# KiCad board rp2040-decoder.kicad_pcb (continued)
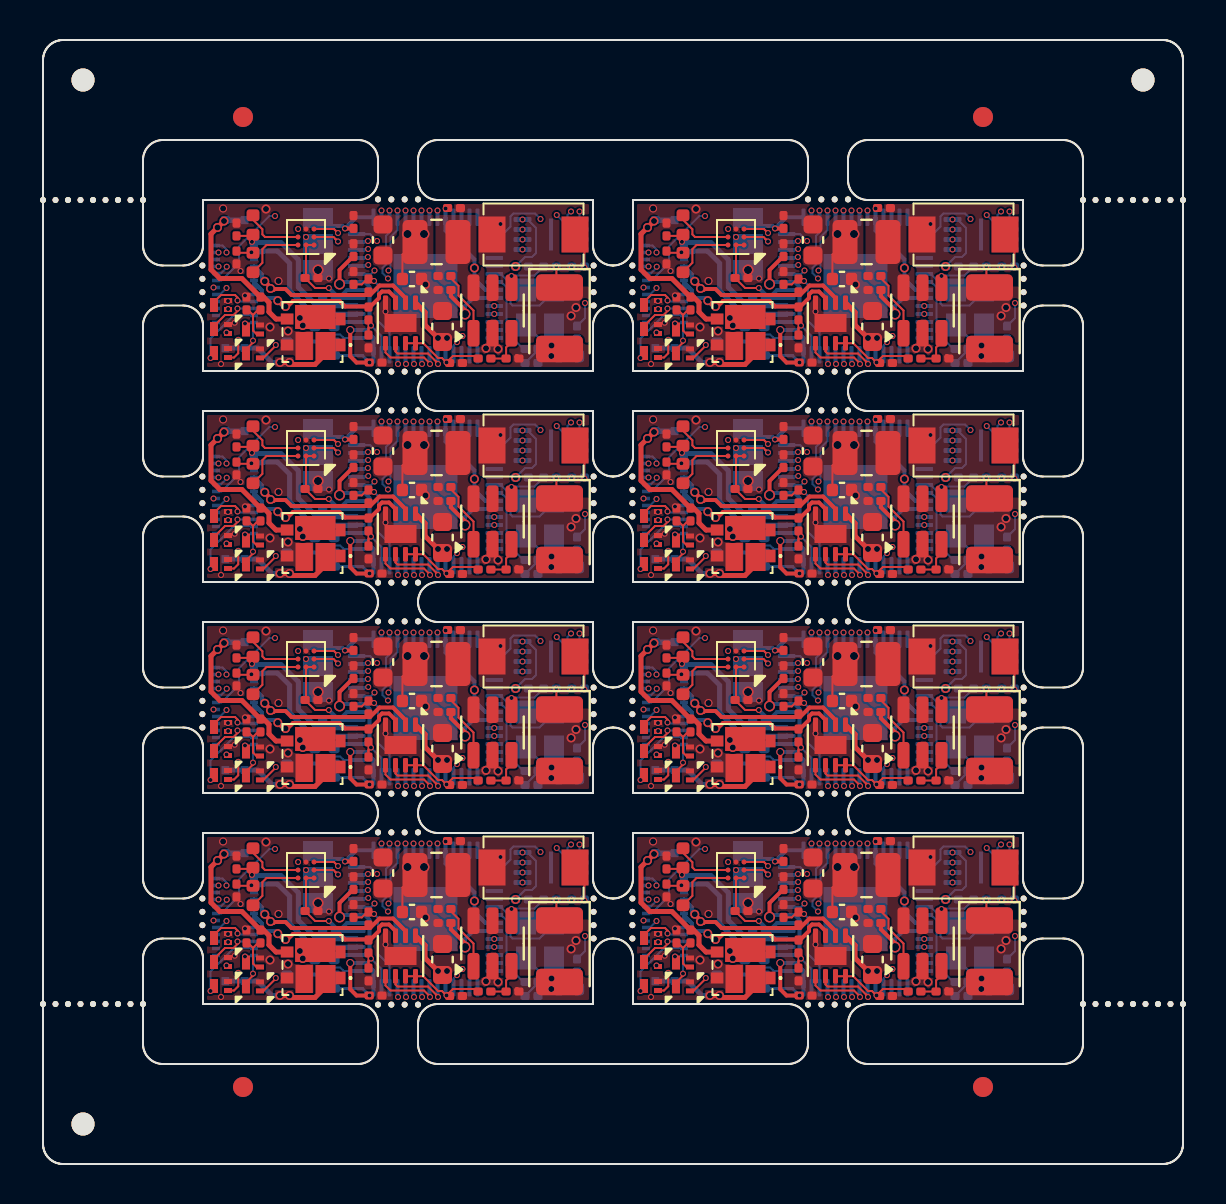
[diagram p0: board, top side]
## Routing (per net, layer and track width the routed paths; a pad name or vN(x,y) marks a point on that pad's centre or on a via; arc(x,y) is an arc through that point) (continued)
  Bottom w0.1: v3(38.75,23.18) 38.47,23.45 38.47,23.7 38.65,23.87 38.65,25.31 38.82,25.48 U3#6.3
Board_5-/AUX12: length 19.6
  In2.Cu w0.1: v3(39.23,26.58) 39.23,26.55 38.71,26.03 38.26,26.03 37.92,26.38 33.88,26.38 33.31,25.8 31.54,25.8 30.68,24.93 v3(30.68,24.48) ; v3(44.06,21.8) 43.91,21.8 42.13,23.58 v3(38.77,23.58)
  Bottom w0.1: U3#6.4 39.22,25.6 38.88,25.25 38.88,23.68 v3(38.77,23.58) ; v3(30.68,24.48) 30.68,24.62 30.47,24.83 J4#2.24
Board_5-/GPIO21: length 12.1
  In2.Cu w0.1: v3(31.6,20.93) 32.15,20.38 33.32,20.38 33.55,20.15 39.65,20.15 40.32,19.48 41.68,19.48 v3(42.2,19.99)
  Bottom w0.1: v3(42.2,19.99) 42.03,19.82 U3#6.32
Board_5-/GPIO22: length 2.9
  Top w0.1: v3(41.25,18.9) 41.18,18.9 41.15,18.92 41.15,19.02 40.75,19.43 39.22,19.43 39.12,19.53 U4#7.6
Board_5-/GPIO23: length 2.9
  Top w0.1: v3(40.85,18.9) 40.85,18.92 40.55,19.23 38.88,19.23 38.62,19.48 U4#7.5
Board_5-/GPIO24: length 11.5
  Top w0.1: Q2#3.1 31.05,19.23 31.26,19.44 v3(31.26,20.11)
  In2.Cu w0.1: v3(40.45,18.9) 40.45,18.92 39.42,19.95 33.46,19.95 33.26,20.15 33,20.15 32.43,19.58 31.78,19.58 31.26,20.09 v3(31.26,20.11)
Board_5-/GPIO25: length 8.4
  Top w0.1: v3(33.14,19.85) 33.14,19.82 32.52,19.21 Q5.1
  In2.Cu w0.1: v3(40.05,18.9) 40.05,18.92 39.22,19.75 33.24,19.75 v3(33.14,19.85)
Board_5-/GPIO26: length 11.4
  In2.Cu w0.1: v3(39.65,18.9) 39.65,18.92 39.02,19.55 33.11,19.55 32.94,19.38 31.13,19.38 30.88,19.63 30.88,20.25 30.97,20.35 30.97,20.6 30.8,20.78 30.75,20.78 v3(30.75,21.65)
Board_5-/GPIO27: length 9.9
  In2.Cu w0.1: v3(39.25,18.9) 38.8,19.35 33.19,19.35 33.02,19.18 31.05,19.18 30.68,19.55 v3(30.68,20.48)
Board_5-/I2S_BCLK: length 6.5
  Top w0.1: U5#7.C1 36.05,25.65 v3(36.25,25.45)
  In1.Cu w0.1: v3(36.25,25.45) 36.25,25.75 36.58,26.08 40.35,26.08 40.82,26.55 v3(40.82,26.58)
Board_5-/I2S_DIN: length 6.9
  Top w0.1: v3(36.25,25.03) 36.13,25.15 36.03,25.25 U5#7.B1
  In1.Cu w0.1: v3(36.25,25.03) 36.37,25.03 37.22,25.88 40.55,25.88 41.22,26.55 v3(41.22,26.58)
Board_5-/I2S_LRCLK: length 6.6
  In1.Cu w0.1: v3(40.43,26.58) 40.43,26.55 40.15,26.28 34.88,26.28 34.26,25.66 v3(34.26,25.65)
Board_5-/LAMP_FRONT: length 2.5
  Top w0.1: v3(31.23,22.07) 31.23,22.22 31.1,22.35 30.4,22.35 30.05,22 Q3#2.3
  Bottom w0.1: J4#2.9 31.28,22.03 v3(31.23,22.07)
Board_5-/LAMP_REAR: length 2.6
  Top w0.1: Q6#2.3 30.05,20.8 30.6,21.35 31.03,21.35 31.22,21.55 v3(31.22,21.68)
  Bottom w0.1: v3(31.22,21.68) J4#2.10
Board_5-/MOTOR_A: length 9.7
  Top w0.2: v4(33.24,22.07) 33.53,21.78 v4(33.62,21.78) 33.72,21.78 34,22.05 36.32,22.05 36.6,21.78 37.88,21.78 38.3,22.2 38.3,22.37 38.45,22.53 38.8,22.53 39.12,22.2 U4#7.3
  Bottom w0.2: v4(33.62,21.78) 33.53,21.78 v4(33.24,22.07) 33.11,22.2 32.6,22.2 32.45,22.35 32.45,22.58 32.05,22.98 J4#2.6 32.05,22.73 32.05,22.76
Board_5-/MOTOR_B: length 9.8
  Top w0.2: U4#7.2 39.62,22.2 39,22.83 38.32,22.83 37.85,22.35 33.93,22.35 33.62,22.65 33.07,22.65 33.03,22.6 v4(32.59,23.04)
  Bottom w0.2: v4(32.88,22.68) 32.88,22.7 32.45,23.12 32.45,23.38 J4#2.4 J4#2.5
Board_5-/SPEAKER_N: length 9.1
  Top w0.1: 32,25.06 FB2.1 31.94,25.3 C20#6.1
  Bottom w0.25: U3#6.47 37.17,21.82 35.19,21.82 34.26,22.74 34.26,24.11 33.41,24.97 31.98,24.97 v3(31.95,25) ; v3(31.95,25) 31.95,24.93 31.95,24.93 31.95,24.86 ; v3(31.95,25) 32.1,24.85 ; v3(31.95,25) 31.97,25 32.1,24.88
Board_5-/SPEAKER_P: length 8.4
  Top w0.1: v3(31.92,24.48) 31.94,24.47 31.95,24.47 ; C22#6.1 31.26,24.46 FB1#5.1
  Bottom w0.25: 31.96,24.45 v3(31.92,24.48) 31.95,24.51 31.95,24.51 31.96,24.5 32.25,24.5 32.26,24.51 32.47,24.51 32.47,24.54 33.23,24.54 33.84,23.94 33.84,22.56 35.01,21.39 37.17,21.39 U3#6.46
Board_5-/TRACK_LEFT: length 9.9
  Top w0.25: v4(30.55,26.05) 29.9,25.4 29.9,23.62 30.34,23.18 31.44,23.18 R1#3.2 32.53,22.25 32.8,21.98 32.8,21.5 33.15,21.15 D1#8.3 33.71,21.08
  Bottom w0.25: v4(30.55,26.05) 30.59,26.1 J4#2.X1A 30.63,26.1 J4#2.X1B
  vias: v4(30.22,25.73)
Board_5-/TRACK_RIGHT: length 6
  Top w0.25: v4(33.35,18.98) v4(33.82,18.98) 33.92,18.88 35.1,18.88 35.62,19.4 D1#8.1
  Bottom w0.25: v4(33.35,18.98) 32.95,18.98 32.23,19.7 J4#2.X2A J4#2.X2B
Board_5-GND: length 0.9
  Top w0.2: Q3#2.2 v3(30.75,22.05)
  Top w0.25: U2#4.2 43.97,20.01 ; R7#2.1 45.2,19.27 45.2,19.27
  Top w0.4: C10#3.2 40.43,23.07 v4(40.62,22.88)
  vias: v1(35.25,23.6) v2(30.5,26.68) v2(33.28,23.05) v3(30.4,18.9) v3(31.09,20.96) v3(31.38,23.55) v3(31.6,22.33) v3(35.8,23.18) v3(38.62,21.53) v3(44.38,25.9) v4(32.65,26.65) v4(32.85,20.75) v4(33.75,20.55) v4(43.65,19.69) v4(44.25,19.65) v4(46.93,19.83) v4(46.91,19.3)
Board_5-Net-(C3-Pad1): length 2.4
  Bottom w0.1: Y1#8.1 46.25,20.26 R6#8.2 46.25,19.59 45.6,18.95
Board_5-Net-(D2-A): length 0.9
  Bottom w0.1: R9.1 48.2,19.36 D2#4.2
Board_5-Net-(JP1-C): length 0.7
  Bottom w0.1: v3(34.65,25.25) 34.9,25.25 JP1#5.2
Board_5-Net-(Q1-G): length 2.1
  Top w0.1: 32,21.36 32.25,21.61 R1#3.1 ; 32,21.36 31.75,21.61 R2#8.2 ; 32,21.36 32,20.58 32.18,20.4 Q1#6.1
Board_5-Net-(R4-Pad2): length 1.8
  Top w0.1: v3(48.57,23.73) 48.57,24.91 SW1#8.2
Board_5-Net-(U1-CLK): length 9.7
  In2.Cu w0.1: v3(37.76,23.85) 37.77,23.85 38.02,24.1 41.42,24.1 41.74,24.43 45.25,24.43 45.35,24.33 45.65,24.33 45.78,24.45 45.78,24.83 v3(45.47,25.12)
  Bottom w0.1: v3(37.76,23.85) 37.71,23.8 U3#6.52
Board_5-Net-(U1-DI(IO0)): length 8.5
  In2.Cu w0.1: v3(37.75,24.25) 37.8,24.3 41.33,24.3 41.66,24.62 v3(45.47,24.62)
  Bottom w0.1: U3#6.53 37.7,24.2 v3(37.75,24.25)
Board_5-Net-(U1-DO(IO1)): length 13.2
  In2.Cu w0.1: v3(47.9,26.52) 47.78,26.65 43.12,26.65 41.17,24.7 38.13,24.7 37.78,25.05 v3(37.75,25.05)
  Bottom w0.1: v3(47.9,26.52) 47.72,26.35 47.72,25.85 47.95,25.62 48.32,25.62 ; v3(37.75,25.05) 37.6,25.05 37.55,25 U3#6.55
Board_5-Net-(U1-IO2): length 12.8
  In2.Cu w0.1: v3(37.75,24.65) 37.9,24.65 38.05,24.5 41.25,24.5 43.2,26.45 47.09,26.45 v3(47.19,26.35)
  Bottom w0.1: v3(47.19,26.35) 47.5,26.04 47.5,25.65 48.02,25.12 48.32,25.12 ; U3#6.54 37.51,24.6 37.56,24.65 v3(37.75,24.65)
Board_5-Net-(U1-IO3): length 10.8
  In2.Cu w0.1: v3(38.07,23.58) 38.4,23.9 41.5,23.9 41.8,24.2 45.19,24.2 45.27,24.12 45.75,24.12 45.97,24.35 45.97,25.15 45.47,25.65
  Bottom w0.1: v3(38.07,23.58) 37.9,23.4 U3#6.51
  vias: v3(45.47,25.62)
Board_5-Net-(U1-~{CS}): length 15.6
  In2.Cu w0.1: v3(38.2,25.05) 38.2,25.01 38.32,24.9 41.06,24.9 43.01,26.85 48,26.85 v3(48.32,26.53) 47.93,26.12 47.93,23.78 v3(47.93,23.78)
  Bottom w0.1: v3(48.32,26.53) 48.32,26.12 ; U3#6.56 37.85,25.4 v3(38.2,25.05)
Board_5-Net-(U2-BS): length 3.3
  Top w0.1: U2#4.1 43.03,21.57 42.28,22.32 42.28,22.81 41.9,23.19 41.9,23.3
Board_5-Net-(U2-EN): length 2.4
  Top w0.1: v3(44.93,23.3) U2#4.4
  Bottom w0.1: R5#7.2 46.08,23.33 44.95,23.33 v3(44.93,23.3)
Board_5-Net-(U2-FB): length 2.1
  Top w0.1: U2#4.3 44.93,20 44.66,19.73 R7#2.2 43.9,19.18
Board_5-Net-(U3-ADC_AVDD): length 2.8
  Bottom w0.1: U3#6.43 36.53,20.2 36.5,20.23 36.5,20.23 36.36,20.38 35.83,20.38 R10#8.2
  Bottom w0.2: 34.62,19.96 34.69,20.03 R10#8.2
Board_5-Net-(U3-GPIO12): length 9.6
  In2.Cu w0.1: v3(46.38,26.15) 47.63,24.9 47.63,23 48.6,22.02 v3(48.6,21.95)
  Bottom w0.1: U3#6.15 44.5,25.4 44.88,25.78 44.88,26.28 45.02,26.43 46.1,26.43 v3(46.38,26.15) ; v3(48.6,21.95) 48.6,21.2 R9.2
Board_5-Net-(U3-XIN): length 5.9
  Bottom w0.1: C1#6.1 47.75,22.6 Y1#8.3 47.05,22.55 46.32,21.83 44.97,21.83 44.88,21.93 44.88,22.91 44.38,23.4 U3#6.20
Board_5-Net-(U3-XOUT): length 4.2
  Bottom w0.1: U3#6.21 44.41,23 44.68,22.73 44.68,20.5 45.53,19.65 45.6,19.65
Board_5-Net-(U5-OUTN): length 3
  Top w0.1: FB2.2 32,26.11 32.47,25.64 32.47,25.38 32.6,25.25 U5#7.B3
Board_5-Net-(U5-OUTP): length 3.2
  Top w0.1: FB1#5.2 32.47,23.96 32.47,24.65 32.68,24.85 U5#7.A3
Board_5-VDC: length 8.7
  Top w0.1: v3(47.17,23.78) 47.17,22.88 C4#2.1
  Top w0.25: v4(41.7,20.2) v4(41.25,20.2) 40.6,20.85 40.6,21.49 U4#7.1
  In2.Cu w0.2: v4(34.35,21.2) 33.5,21.2 32,22.7 v3(30.68,22.7)
  Bottom w0.1: v3(30.68,22.7) 30.35,22.38 J4#2.17
  vias: v4(34.49,20.83) v4(47.91,21.3) v4(48.15,21.73)
Board_6-+1V1: length 17.4
  Top w0.2: 20.4,12.05 20.4,11.74 21.1,11.03 v1(21.1,10.85) ; v1(14.83,12.35) 14.83,13.05 15.57,13.8 15.59,13.8
  In2.Cu w0.4: v1(21.1,10.85) 21.1,11 20.3,11.8 15.38,11.8 v1(14.83,12.35)
  Bottom w0.2: v1(14.83,12.35) 14.93,12.45 U3#5.50 16.08,12.45 16.32,12.2 16.32,10.7 16.08,10.45 U3#5.45 14.71,10.45 14.56,10.3 ; v1(21.1,10.85) 21.1,11.25 21.5,11.65 U3#5.23
Board_6-+3.3V: length 42.9
  Top w0.1: U4#6.7 19.02,9.39 19.76,8.65 19.95,8.65 20.17,8.43 v3(20.18,8.43) 20.5,8.75 21.63,8.75 R8#7.1 ; v3(14.29,12.15) 13.6,12.15 13.1,12.65 13.15,12.7 U5.A2 U5.A1 ; v3(20.98,9.75) 21,9.73 ; L1#6.2 17.97,13.82 C10#7.1 ; v3(16.32,8.42) C13#3.1
  Top w0.2: C13#3.1 15.68,8.42 15.36,8.74 v2(15.36,10.05) ; v3(15.1,15.12) 15.52,15.12 C17#3.1
  In1.Cu w0.2: v2(15.36,10.05) 14.29,11.12 v3(14.29,12.15)
  In1.Cu w0.25: 19.93,8.73 20.18,8.48 v3(20.18,8.43) ; 19.93,8.73 16.62,8.73 v3(16.32,8.42) ; 19.93,8.73 20.51,8.73 21.07,9.29 21.07,9.65 v3(20.98,9.75)
  In2.Cu w0.1: v4(23.63,13.23) 23.56,13.15 v4(21.57,13.15)
  Bottom w0.1: v4(23.63,13.23) 24.1,13.7 24.45,13.7 24.65,13.9 24.65,15.15 24.23,15.58 v3(23.97,15.58)
  Bottom w0.15: R10#3.1 C11#4.1 15.97,8.78 16.16,8.59 ; 16.16,8.59 16.25,8.5 16.47,8.5 ; 16.16,8.59 v3(16.32,8.42)
  Bottom w0.2: 13.93,15.48 JP1#6.3 14.15,15.25 14.98,15.25 v3(15.1,15.12) 15.66,15.69 U3#5.1 ; 14.8,11.65 15.2,12.05 U3#5.49 ; 14.8,11.65 14.75,11.7 C12#7.1 14.62,11.82 v3(14.29,12.15) ; 14.8,11.65 15.58,11.65 ; U3#5.22 22.12,12.05 21.57,12.6 v4(21.57,13.15) 21.57,13.58 20.12,15.03 U3#5.10 ; U3#5.44 16.12,10.05 16.53,9.65 U3#5.42 ; 14,15.68 14.32,16
  vias: v1(18.22,14.85) v1(19.05,14.85) v3(8.53,12.17) v3(20.13,16.12)
Board_6-/ADC_EMF_A: length 2.8
  Top w0.1: R11#3.1 R12#2.2 ; 16.28,9.97 16.28,10.15 v3(16.4,10.27)
  Bottom w0.1: v3(16.4,10.27) 16.93,9.74 U3#5.41
Board_6-/ADC_EMF_B: length 5.2
  Top w0.1: R14#6.2 15.94,12.33 16.28,12.66 16.39,12.66 v3(16.55,12.5)
  Bottom w0.1: v3(16.55,12.5) 16.75,12.3 16.75,10.5 17.32,9.92 U3#5.40
Board_6-/AUX1 (VDC): length 3.6
  Bottom w0.1: J4#8.11 10.53,10.8 9.55,10.8 8.38,9.62 v3(8.38,8.65)
Board_6-/AUX2 (VDC): length 1.7
  Top w0.1: v3(10.5,9.52) 10.5,9.42 10.15,9.07 Q5#2.3
  Bottom w0.1: J4#8.12 10.55,10.06 10.5,10.01 v3(10.5,9.52)
Board_6-/AUX3: length 11.3
  In2.Cu w0.1: v3(8.78,13.23) 9.07,13.52 9.42,13.52 9.57,13.68 9.57,14.5 10.12,15.05 11.89,15.05 12.47,15.62 16.33,15.62 16.68,15.28 17.41,15.28 18.12,16 v3(18.12,16.03)
Board_6-/AUX4: length 12
  In2.Cu w0.1: v3(9.19,13.21) 9.44,13.21 9.78,13.55 9.78,14.42 10.21,14.85 11.97,14.85 12.55,15.43 16.25,15.43 16.59,15.08 17.61,15.08 18.53,16 v3(18.53,16.03)
  Bottom w0.1: v3(9.19,13.21) 9.19,13.17 8.89,12.88 J4#8.20
Board_6-/AUX10: length 10.6
  In2.Cu w0.1: v3(16.93,16.03) 16.93,15.88 16.53,16.28 12.13,16.28 v3(11.6,15.75)
  Bottom w0.1: J4#8.19 8.92,12.53 9.8,13.4 9.8,14.23 11.32,15.75 v3(11.6,15.75)
Board_6-/AUX11: length 19.7
  In2.Cu w0.1: v3(8.78,13.93) 8.78,14.27 9.96,15.45 11.73,15.45 12.3,16.03 16.5,16.03 16.84,15.68 17.01,15.68 17.22,15.9 17.22,16.1 17.33,16 v3(17.33,16.02) ; v3(17.25,12.62) 17.3,12.62 17.5,12.83 20.55,12.83 22.53,10.85 v3(22.56,10.85)
  Bottom w0.1: U3#5.3 17.32,14.93 17.15,14.76 17.15,13.32 16.97,13.15 16.97,12.9 v3(17.25,12.62)
Board_6-/AUX12: length 19.6
  In2.Cu w0.1: v3(17.73,16.03) 17.73,16 17.21,15.48 16.76,15.48 16.42,15.83 12.38,15.83 11.81,15.25 10.04,15.25 9.18,14.38 v3(9.18,13.93) ; v3(17.27,13.03) 20.63,13.03 22.41,11.25 v3(22.56,11.25)
  Bottom w0.1: v3(9.18,13.93) 9.18,14.07 8.97,14.28 8.65,14.28 ; U3#5.4 17.72,15.05 17.38,14.7 17.38,13.13 v3(17.27,13.03)
Board_6-/GPIO21: length 12.1
  In2.Cu w0.1: v3(10.1,10.38) 10.65,9.83 11.82,9.83 12.05,9.6 18.15,9.6 18.82,8.92 20.18,8.92 v3(20.7,9.44)
  Bottom w0.1: v3(20.7,9.44) 20.53,9.27 U3#5.32
Board_6-/GPIO22: length 2.9
  Top w0.1: v3(19.75,8.35) 19.68,8.35 19.65,8.37 19.65,8.47 19.25,8.88 17.72,8.88 17.62,8.98 U4#6.6
Board_6-/GPIO23: length 2.9
  Top w0.1: U4#6.5 17.12,8.92 17.38,8.67 19.05,8.67 19.35,8.37 v3(19.35,8.35)
Board_6-/GPIO24: length 11.5
  Top w0.1: Q2#8.1 9.55,8.67 9.76,8.89 v3(9.76,9.56)
  In2.Cu w0.1: v3(18.95,8.35) 18.95,8.37 17.92,9.4 11.96,9.4 11.76,9.6 11.5,9.6 10.93,9.03 10.28,9.03 9.76,9.54 v3(9.76,9.56)
Board_6-/GPIO25: length 8.4
  Top w0.1: v3(11.64,9.3) 11.64,9.27 11.02,8.66 Q5#2.1
  In2.Cu w0.1: v3(18.55,8.35) 18.55,8.37 17.72,9.2 11.74,9.2 v3(11.64,9.3)
Board_6-/GPIO26: length 11.4
  In2.Cu w0.1: v3(9.25,11.1) 9.25,10.23 9.3,10.23 9.47,10.05 9.47,9.8 9.38,9.7 9.38,9.08 9.63,8.83 11.44,8.83 11.61,9 17.52,9 18.15,8.37 v3(18.15,8.35)
Board_6-/GPIO27: length 9.9
  In2.Cu w0.1: v3(9.18,9.92) 9.18,9 9.55,8.62 11.52,8.62 11.69,8.8 17.3,8.8 v3(17.75,8.35)
Board_6-/I2S_BCLK: length 6.5
  Top w0.1: v3(14.75,14.9) 14.55,15.1 U5.C1
  In1.Cu w0.1: v3(14.75,14.9) 14.75,15.2 15.08,15.53 18.85,15.53 19.32,16 v3(19.32,16.03)
Board_6-/I2S_DIN: length 6.9
  Top w0.1: v3(14.75,14.48) 14.63,14.6 14.53,14.7 U5.B1
  In1.Cu w0.1: v3(19.72,16.03) 19.72,16 19.05,15.33 15.72,15.33 14.87,14.48 v3(14.75,14.48)
Board_6-/I2S_LRCLK: length 6.6
  In1.Cu w0.1: v3(18.93,16.03) 18.93,16 18.65,15.73 13.38,15.73 12.76,15.11 v3(12.76,15.1)
Board_6-/LAMP_FRONT: length 2.5
  Top w0.1: v3(9.73,11.52) 9.73,11.67 9.6,11.8 8.9,11.8 8.55,11.45 Q3#7.3
  Bottom w0.1: v3(9.73,11.52) 9.78,11.48 J4#8.9
Board_6-/LAMP_REAR: length 2.6
  Top w0.1: v3(9.72,11.12) 9.72,11 9.53,10.8 9.1,10.8 8.55,10.25 Q6#4.3
  Bottom w0.1: v3(9.72,11.12) J4#8.10
Board_6-/MOTOR_A: length 9.7
  Top w0.2: v4(11.74,11.52) 12.03,11.23 v4(12.12,11.23) 12.22,11.23 12.5,11.5 14.82,11.5 15.1,11.23 16.38,11.23 16.8,11.65 16.8,11.82 16.95,11.98 17.3,11.98 17.62,11.65 U4#6.3
  Bottom w0.2: 10.55,12.21 J4#8.7 J4#8.6 10.55,12.43 10.95,12.03 10.95,11.8 11.1,11.65 11.61,11.65 v4(11.74,11.52) 12.03,11.23 v4(12.12,11.23)
Board_6-/MOTOR_B: length 9.8
  Top w0.2: v4(11.09,12.49) 11.53,12.05 11.57,12.1 12.12,12.1 12.43,11.8 16.35,11.8 16.82,12.28 17.5,12.28 18.12,11.65 U4#6.2
  Bottom w0.2: v4(11.38,12.12) 11.38,12.15 10.95,12.58 10.95,12.83 J4#8.4 J4#8.5
Board_6-/SPEAKER_N: length 9.1
  Top w0.1: 10.5,14.51 FB2#7.1 10.44,14.76 C20#4.1
  Bottom w0.25: v3(10.45,14.45) 10.45,14.38 10.45,14.38 10.45,14.31 ; v3(10.45,14.45) 10.6,14.3 ; v3(10.45,14.45) 10.47,14.45 10.6,14.33 ; v3(10.45,14.45) 10.48,14.42 11.91,14.42 12.76,13.56 12.76,12.19 13.69,11.27 15.67,11.27 U3#5.47
Board_6-/SPEAKER_P: length 8.4
  Top w0.1: v3(10.42,13.93) 10.44,13.92 10.45,13.92 ; C22#4.1 9.76,13.91 FB1#8.1
  Bottom w0.25: U3#5.46 15.67,10.84 13.51,10.84 12.34,12.01 12.34,13.39 11.73,13.99 10.97,13.99 10.97,13.96 10.76,13.96 10.75,13.95 10.46,13.95 10.45,13.96 10.45,13.96 v3(10.42,13.93) 10.46,13.9
Board_6-/TRACK_LEFT: length 9.9
  Top w0.25: v4(9.05,15.5) 8.4,14.85 8.4,13.07 8.84,12.62 9.94,12.62 10.88,11.7 11.03,11.7 11.3,11.42 11.3,10.95 11.65,10.6 D1#2.3 12.21,10.53
  Bottom w0.25: v4(9.05,15.5) 9.09,15.55 J4#8.X1A 9.13,15.55 J4#8.X1B
  vias: v4(8.72,15.18)
Board_6-/TRACK_RIGHT: length 6
  Top w0.25: D1#2.1 14.12,8.85 13.6,8.33 12.42,8.33 v4(12.32,8.42) v4(11.85,8.42)
  Bottom w0.25: v4(11.85,8.42) 11.45,8.42 10.73,9.14 J4#8.X2A J4#8.X2B
Board_6-GND: length 0.9
  Top w0.2: Q3#7.2 v3(9.25,11.5)
  Top w0.25: U2#3.2 22.47,9.46 ; 23.7,8.72 23.7,8.72 R7#4.1
  Top w0.4: C10#7.2 18.93,12.52 v4(19.12,12.33)
  vias: v1(13.75,13.05) v2(9,16.12) v2(11.78,12.5) v3(8.9,8.35) v3(9.59,10.41) v3(9.88,13) v3(10.1,11.78) v3(14.3,12.62) v3(17.12,10.98) v3(22.88,15.35) v4(11.15,16.1) v4(11.35,10.2) v4(12.25,10) v4(22.15,9.14) v4(22.75,9.1) v4(25.43,9.28) v4(25.41,8.75)
Board_6-Net-(C3-Pad1): length 2.4
  Bottom w0.1: Y1#6.1 24.75,9.7 R6#6.2 24.75,9.04 24.1,8.4
Board_6-Net-(D2-A): length 0.9
  Bottom w0.1: R9#8.1 26.7,8.81 D2#8.2
Board_6-Net-(JP1-C): length 0.7
  Bottom w0.1: v3(13.15,14.7) 13.4,14.7 JP1#6.2
Board_6-Net-(Q1-G): length 2.1
  Top w0.1: 10.5,10.81 10.25,11.06 R2.2 ; 10.5,10.81 10.5,10.03 10.68,9.85 Q1#4.1 ; 10.5,10.81 10.75,11.06 R1#6.1
Board_6-Net-(R4-Pad2): length 1.8
  Top w0.1: SW1#2.2 27.07,14.36 v3(27.07,13.18)
Board_6-Net-(U1-CLK): length 9.7
  In2.Cu w0.1: v3(23.97,14.58) 24.28,14.28 24.28,13.9 24.15,13.78 23.85,13.78 23.75,13.88 20.24,13.88 19.92,13.55 16.52,13.55 16.27,13.3 v3(16.26,13.3)
  Bottom w0.1: v3(16.26,13.3) 16.21,13.25 U3#5.52
Board_6-Net-(U1-DI(IO0)): length 8.5
  In2.Cu w0.1: v3(23.97,14.08) 20.16,14.08 19.83,13.75 16.3,13.75 v3(16.25,13.7)
  Bottom w0.1: v3(16.25,13.7) 16.2,13.65 U3#5.53
Board_6-Net-(U1-DO(IO1)): length 13.2
  In2.Cu w0.1: v3(26.4,15.97) 26.28,16.1 21.62,16.1 19.67,14.15 16.63,14.15 16.28,14.5 v3(16.25,14.5)
  Bottom w0.1: 26.82,15.08 26.45,15.08 26.22,15.3 26.22,15.8 v3(26.4,15.97) ; v3(16.25,14.5) 16.1,14.5 16.05,14.45 U3#5.55
Board_6-Net-(U1-IO2): length 12.8
  In2.Cu w0.1: v3(25.69,15.8) 25.59,15.9 21.7,15.9 19.75,13.95 16.55,13.95 16.4,14.1 v3(16.25,14.1)
  Bottom w0.1: U3#5.54 16.01,14.05 16.06,14.1 v3(16.25,14.1) ; v3(25.69,15.8) 26,15.49 26,15.1 26.52,14.58 26.82,14.58
Board_6-Net-(U1-IO3): length 10.8
  In2.Cu w0.1: v3(16.57,13.03) 16.9,13.35 20,13.35 20.3,13.65 23.69,13.65 23.77,13.58 24.25,13.58 24.47,13.8 24.47,14.6 23.97,15.1
  Bottom w0.1: U3#5.51 16.4,12.85 v3(16.57,13.03)
  vias: v3(23.97,15.08)
Board_6-Net-(U1-~{CS}): length 15.6
  In2.Cu w0.1: v3(16.7,14.5) 16.7,14.46 16.82,14.35 19.56,14.35 21.51,16.3 26.5,16.3 v3(26.82,15.98) 26.43,15.58 26.43,13.23 v3(26.43,13.23)
  Bottom w0.1: v3(16.7,14.5) 16.35,14.85 U3#5.56 ; v3(26.82,15.98) 26.82,15.58
Board_6-Net-(U2-BS): length 3.3
  Top w0.1: 20.4,12.75 20.4,12.64 20.78,12.26 20.78,11.77 21.53,11.02 U2#3.1
Board_6-Net-(U2-EN): length 2.4
  Top w0.1: v3(23.43,12.75) U2#3.4
  Bottom w0.1: R5#6.2 24.58,12.78 23.45,12.78 v3(23.43,12.75)
Board_6-Net-(U2-FB): length 2.1
  Top w0.1: U2#3.3 23.43,9.45 23.16,9.18 R7#4.2 22.4,8.62
Board_6-Net-(U3-ADC_AVDD): length 2.8
  Bottom w0.1: U3#5.43 15.03,9.65 15,9.67 15,9.68 14.86,9.83 14.33,9.83 R10#3.2
  Bottom w0.2: 13.12,9.41 13.19,9.48 R10#3.2
Board_6-Net-(U3-GPIO12): length 9.6
  In2.Cu w0.1: v3(24.88,15.6) 26.13,14.35 26.13,12.45 27.1,11.47 v3(27.1,11.4)
  Bottom w0.1: v3(24.88,15.6) 24.6,15.88 23.52,15.88 23.38,15.73 23.38,15.23 23,14.85 U3#5.15 ; R9#8.2 27.1,10.65 v3(27.1,11.4)
Board_6-Net-(U3-XIN): length 5.9
  Bottom w0.1: 26.7,12.5 26.25,12.05 Y1#6.3 25.55,12 24.82,11.28 23.47,11.28 23.38,11.38 23.38,12.36 22.88,12.85 U3#5.20
Board_6-Net-(U3-XOUT): length 4.2
  Bottom w0.1: 24.1,9.1 24.03,9.1 23.18,9.95 23.18,12.18 22.91,12.45 U3#5.21
Board_6-Net-(U5-OUTN): length 3
  Top w0.1: U5.B3 11.1,14.7 10.97,14.83 10.97,15.09 10.5,15.56 FB2#7.2
Board_6-Net-(U5-OUTP): length 3.2
  Top w0.1: FB1#8.2 10.97,13.41 10.97,14.1 11.18,14.3 U5.A3
Board_6-VDC: length 8.7
  Top w0.1: v3(25.67,13.23) 25.67,12.33 C4#7.1
  Top w0.25: v4(20.2,9.65) v4(19.75,9.65) 19.1,10.3 19.1,10.94 U4#6.1
  In2.Cu w0.2: v4(12.85,10.65) 12,10.65 10.5,12.15 v3(9.18,12.15)
  Bottom w0.1: J4#8.17 8.85,11.83 v3(9.18,12.15)
  vias: v4(12.99,10.28) v4(26.41,10.75) v4(26.65,11.17)
Board_7-+1V1: length 17.4
  Top w0.2: 37.09,13.8 37.07,13.8 36.33,13.05 v1(36.33,12.35) ; 41.9,12.05 41.9,11.74 42.6,11.03 v1(42.6,10.85)
  In2.Cu w0.4: v1(42.6,10.85) 42.6,11 41.8,11.8 36.88,11.8 v1(36.33,12.35)
  Bottom w0.2: v1(42.6,10.85) 42.6,11.25 43,11.65 U3.23 ; 36.06,10.3 36.21,10.45 U3.45 37.58,10.45 37.82,10.7 37.82,12.2 37.58,12.45 U3.50 36.43,12.45 v1(36.33,12.35)
Board_7-+3.3V: length 42.9
  Top w0.1: v3(37.82,8.42) C13#5.1 ; C10#8.1 39.47,13.82 L1#5.2 ; v3(42.48,9.75) 42.5,9.73 ; U4#8.7 40.52,9.39 41.26,8.65 41.45,8.65 41.67,8.43 v3(41.68,8.43) 42,8.75 43.13,8.75 R8#3.1 ; U5#3.A1 U5#3.A2 34.65,12.7 34.6,12.65 35.1,12.15 v3(35.79,12.15)
  Top w0.2: v2(36.86,10.05) 36.86,8.74 37.18,8.42 C13#5.1 ; v3(36.6,15.12) 37.02,15.12 C17#6.1
  In1.Cu w0.2: v2(36.86,10.05) 35.79,11.12 v3(35.79,12.15)
  In1.Cu w0.25: 41.43,8.73 41.68,8.48 v3(41.68,8.43) ; 41.43,8.73 42.01,8.73 42.57,9.29 42.57,9.65 v3(42.48,9.75) ; 41.43,8.73 38.12,8.73 v3(37.82,8.42)
  In2.Cu w0.1: v4(45.13,13.23) 45.06,13.15 v4(43.07,13.15)
  Bottom w0.1: v4(45.13,13.23) 45.6,13.7 45.95,13.7 46.15,13.9 46.15,15.15 45.73,15.58 v3(45.47,15.58)
  Bottom w0.15: 37.97,8.5 37.75,8.5 37.66,8.59 ; 37.66,8.59 37.47,8.78 C11#2.1 R10#6.1 ; 37.66,8.59 v3(37.82,8.42)
  Bottom w0.2: 35.43,15.48 JP1#8.3 35.65,15.25 36.48,15.25 v3(36.6,15.12) 37.16,15.69 U3.1 ; 36.3,11.65 36.25,11.7 C12#2.1 36.12,11.82 v3(35.79,12.15) ; 36.3,11.65 36.7,12.05 U3.49 ; 36.3,11.65 37.08,11.65 ; U3.44 37.62,10.05 38.03,9.65 U3.42 ; 35.5,15.68 35.82,16 ; U3.22 43.62,12.05 43.07,12.6 v4(43.07,13.15) 43.07,13.58 41.62,15.03 U3.10
  vias: v1(39.72,14.85) v1(40.55,14.85) v3(30.03,12.17) v3(41.63,16.12)
Board_7-/ADC_EMF_A: length 2.8
  Top w0.1: 37.78,9.97 37.78,10.15 v3(37.9,10.27) ; R11#4.1 R12#7.2
  Bottom w0.1: U3.41 38.43,9.74 v3(37.9,10.27)
Board_7-/ADC_EMF_B: length 5.2
  Top w0.1: R14.2 37.44,12.33 37.78,12.66 37.89,12.66 v3(38.05,12.5)
  Bottom w0.1: v3(38.05,12.5) 38.25,12.3 38.25,10.5 38.82,9.92 U3.40
Board_7-/AUX1 (VDC): length 3.6
  Bottom w0.1: J4#4.11 32.03,10.8 31.05,10.8 29.88,9.62 v3(29.88,8.65)
Board_7-/AUX2 (VDC): length 1.7
  Top w0.1: v3(32,9.52) 32,9.42 31.65,9.07 Q5#8.3
  Bottom w0.1: v3(32,9.52) 32,10.01 32.05,10.06 J4#4.12
Board_7-/AUX3: length 11.3
  In2.Cu w0.1: v3(39.62,16.03) 39.62,16 38.91,15.28 38.18,15.28 37.83,15.62 33.97,15.62 33.39,15.05 31.62,15.05 31.07,14.5 31.07,13.68 30.92,13.52 30.57,13.52 v3(30.28,13.23)
Board_7-/AUX4: length 12
  In2.Cu w0.1: v3(30.69,13.21) 30.94,13.21 31.28,13.55 31.28,14.42 31.71,14.85 33.47,14.85 34.05,15.43 37.75,15.43 38.09,15.08 39.11,15.08 40.03,16 v3(40.03,16.03)
  Bottom w0.1: J4#4.20 30.39,12.88 30.69,13.17 v3(30.69,13.21)
Board_7-/AUX10: length 10.6
  In2.Cu w0.1: v3(38.43,16.03) 38.43,15.88 38.03,16.28 33.63,16.28 v3(33.1,15.75)
  Bottom w0.1: J4#4.19 30.42,12.53 31.3,13.4 31.3,14.23 32.82,15.75 v3(33.1,15.75)
Board_7-/AUX11: length 19.7
  In2.Cu w0.1: v3(38.83,16.02) 38.83,16 38.72,16.1 38.72,15.9 38.51,15.68 38.34,15.68 38,16.03 33.8,16.03 33.23,15.45 31.46,15.45 30.28,14.27 v3(30.28,13.93) ; v3(38.75,12.62) 38.8,12.62 39,12.83 42.05,12.83 44.03,10.85 v3(44.06,10.85)
  Bottom w0.1: v3(38.75,12.62) 38.47,12.9 38.47,13.15 38.65,13.32 38.65,14.76 38.82,14.93 U3.3
Board_7-/AUX12: length 19.6
  In2.Cu w0.1: v3(30.68,13.93) 30.68,14.38 31.54,15.25 33.31,15.25 33.88,15.83 37.92,15.83 38.26,15.48 38.71,15.48 39.23,16 v3(39.23,16.03) ; v3(38.77,13.03) 42.13,13.03 43.91,11.25 v3(44.06,11.25)
  Bottom w0.1: U3.4 39.22,15.05 38.88,14.7 38.88,13.13 v3(38.77,13.03) ; 30.15,14.28 30.47,14.28 30.68,14.07 v3(30.68,13.93)
Board_7-/GPIO21: length 12.1
  In2.Cu w0.1: v3(31.6,10.38) 32.15,9.83 33.32,9.83 33.55,9.6 39.65,9.6 40.32,8.92 41.68,8.92 v3(42.2,9.44)
  Bottom w0.1: v3(42.2,9.44) 42.03,9.27 U3.32
Board_7-/GPIO22: length 2.9
  Top w0.1: v3(41.25,8.35) 41.18,8.35 41.15,8.37 41.15,8.47 40.75,8.88 39.22,8.88 39.12,8.98 U4#8.6
Board_7-/GPIO23: length 2.9
  Top w0.1: U4#8.5 38.62,8.92 38.88,8.67 40.55,8.67 40.85,8.37 v3(40.85,8.35)
Board_7-/GPIO24: length 11.5
  Top w0.1: Q2#6.1 31.05,8.67 31.26,8.89 v3(31.26,9.56)
  In2.Cu w0.1: v3(40.45,8.35) 40.45,8.37 39.42,9.4 33.46,9.4 33.26,9.6 33,9.6 32.43,9.03 31.78,9.03 31.26,9.54 v3(31.26,9.56)
Board_7-/GPIO25: length 8.4
  Top w0.1: Q5#8.1 32.52,8.66 33.14,9.27 v3(33.14,9.3)
  In2.Cu w0.1: v3(33.14,9.3) 33.24,9.2 39.22,9.2 40.05,8.37 v3(40.05,8.35)
Board_7-/GPIO26: length 11.4
  In2.Cu w0.1: v3(39.65,8.35) 39.65,8.37 39.02,9 33.11,9 32.94,8.83 31.13,8.83 30.88,9.08 30.88,9.7 30.97,9.8 30.97,10.05 30.8,10.23 30.75,10.23 v3(30.75,11.1)
Board_7-/GPIO27: length 9.9
  In2.Cu w0.1: v3(39.25,8.35) 38.8,8.8 33.19,8.8 33.02,8.62 31.05,8.62 30.68,9 v3(30.68,9.92)
Board_7-/I2S_BCLK: length 6.5
  Top w0.1: v3(36.25,14.9) 36.05,15.1 U5#3.C1
  In1.Cu w0.1: v3(36.25,14.9) 36.25,15.2 36.58,15.53 40.35,15.53 40.82,16 v3(40.82,16.03)
Board_7-/I2S_DIN: length 6.9
  Top w0.1: v3(36.25,14.48) 36.13,14.6 36.03,14.7 U5#3.B1
  In1.Cu w0.1: v3(41.22,16.03) 41.22,16 40.55,15.33 37.22,15.33 36.37,14.48 v3(36.25,14.48)
Board_7-/I2S_LRCLK: length 6.6
  In1.Cu w0.1: v3(34.26,15.1) 34.26,15.11 34.88,15.73 40.15,15.73 40.43,16 v3(40.43,16.03)
Board_7-/LAMP_FRONT: length 2.5
  Top w0.1: v3(31.23,11.52) 31.23,11.67 31.1,11.8 30.4,11.8 30.05,11.45 Q3#4.3
  Bottom w0.1: v3(31.23,11.52) 31.28,11.48 J4#4.9
Board_7-/LAMP_REAR: length 2.6
  Top w0.1: Q6.3 30.05,10.25 30.6,10.8 31.03,10.8 31.22,11 v3(31.22,11.12)
  Bottom w0.1: v3(31.22,11.12) J4#4.10
Board_7-/MOTOR_A: length 9.7
  Top w0.2: v4(33.24,11.52) 33.53,11.23 v4(33.62,11.23) 33.72,11.23 34,11.5 36.32,11.5 36.6,11.23 37.88,11.23 38.3,11.65 38.3,11.82 38.45,11.98 38.8,11.98 39.12,11.65 U4#8.3
  Bottom w0.2: 32.05,12.21 J4#4.7 J4#4.6 32.05,12.43 32.45,12.03 32.45,11.8 32.6,11.65 33.11,11.65 v4(33.24,11.52) 33.53,11.23 v4(33.62,11.23)
Board_7-/MOTOR_B: length 9.8
  Top w0.2: v4(32.59,12.49) 33.03,12.05 33.07,12.1 33.62,12.1 33.93,11.8 37.85,11.8 38.32,12.28 39,12.28 39.62,11.65 U4#8.2
  Bottom w0.2: v4(32.88,12.12) 32.88,12.15 32.45,12.58 32.45,12.83 J4#4.4 J4#4.5
Board_7-/SPEAKER_N: length 9.1
  Top w0.1: C20#8.1 31.94,14.76 FB2#5.1 32,14.51
  Bottom w0.25: 31.95,14.31 31.95,14.38 31.95,14.38 v3(31.95,14.45) ; v3(31.95,14.45) 31.98,14.42 33.41,14.42 34.26,13.56 34.26,12.19 35.19,11.27 37.17,11.27 U3.47 ; v3(31.95,14.45) 31.97,14.45 32.1,14.33 ; v3(31.95,14.45) 32.1,14.3
Board_7-/SPEAKER_P: length 8.4
  Top w0.1: C22#2.1 31.26,13.91 FB1#7.1 ; v3(31.92,13.93) 31.94,13.92 31.95,13.92
  Bottom w0.25: U3.46 37.17,10.84 35.01,10.84 33.84,12.01 33.84,13.39 33.23,13.99 32.47,13.99 32.47,13.96 32.26,13.96 32.25,13.95 31.96,13.95 31.95,13.96 31.95,13.96 v3(31.92,13.93) 31.96,13.9
Board_7-/TRACK_LEFT: length 9.9
  Top w0.25: v4(30.55,15.5) 29.9,14.85 29.9,13.07 30.34,12.62 31.44,12.62 32.38,11.7 32.53,11.7 32.8,11.42 32.8,10.95 33.15,10.6 D1#6.3 33.71,10.53
  Bottom w0.25: J4#4.X1B 30.63,15.55 J4#4.X1A 30.59,15.55 v4(30.55,15.5)
  vias: v4(30.22,15.18)
Board_7-/TRACK_RIGHT: length 6
  Top w0.25: D1#6.1 35.62,8.85 35.1,8.33 33.92,8.33 v4(33.82,8.42) v4(33.35,8.42)
  Bottom w0.25: J4#4.X2B J4#4.X2A 32.23,9.14 32.95,8.42 v4(33.35,8.42)
Board_7-GND: length 0.9
  Top w0.2: Q3#4.2 v3(30.75,11.5)
  Top w0.25: 45.2,8.72 45.2,8.72 R7#8.1 ; U2#8.2 43.97,9.46
  Top w0.4: v4(40.62,12.33) 40.43,12.52 C10#8.2
  vias: v1(35.25,13.05) v2(30.5,16.12) v2(33.28,12.5) v3(30.4,8.35) v3(31.09,10.41) v3(31.38,13) v3(31.6,11.78) v3(35.8,12.62) v3(38.62,10.98) v3(44.38,15.35) v4(32.65,16.1) v4(32.85,10.2) v4(33.75,10) v4(43.65,9.14) v4(44.25,9.1) v4(46.93,9.28) v4(46.91,8.75)
